# Altium PCB walktimizer_v2.PcbDoc (continued)
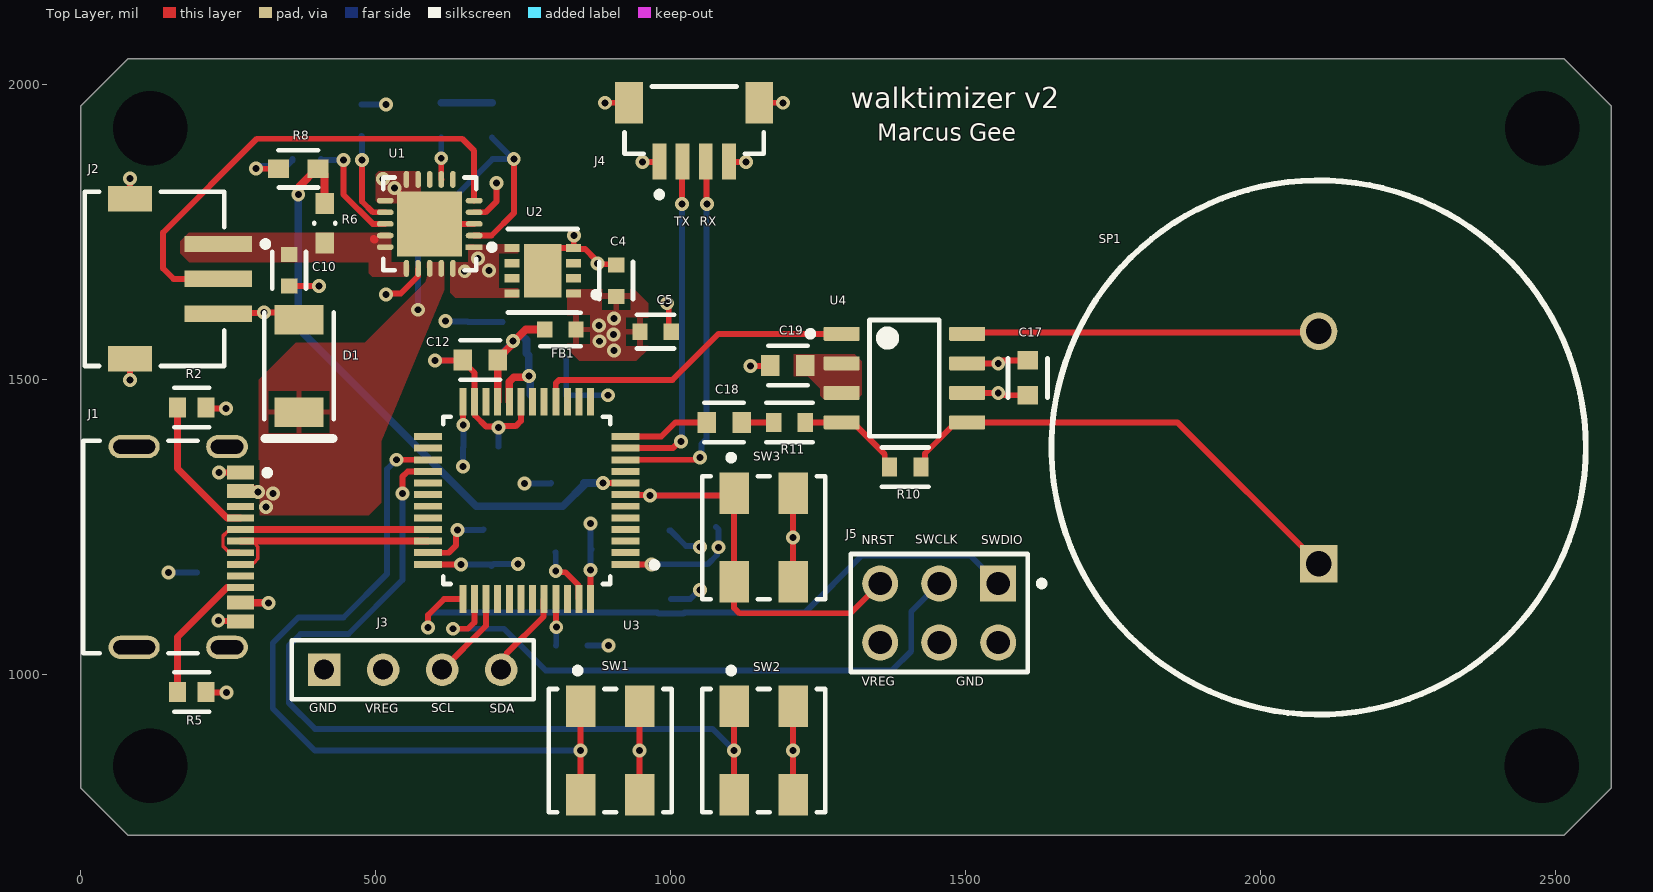
[diagram p0: Top Layer view]
## Footprints (in the part's own frame and the unit in brackets; to place one, negate y for a bottom-side part, rotate by r counter-clockwise, add the part's x,y. Pads: shape width x height; smd on the part's side, far side on the other; paste and mask are expansions set on the pad)
BOUR-SMA-2_V [mm] "SMA, 2-Leads, Body 4.57x2.92mm"
  rect 1.27x2.1 smd: 1(-1.985,0) 2(1.985,0)
  silkscreen extent -2.3,-1.5 3.12,1.5, body extent -2.5,-1.46 2.5,1.46, height 2.62
FP-7914J-1-032-MFG [mm]
  rect 1.27x1.78 smd paste+0 mask+0: 1_1-(-1.27,1.905) 1_2+(1.27,1.905) 2_1-(-1.27,-1.905) 2_2+(1.27,-1.905)
  silkscreen extent -2.65,-2.65 2.65,3.57, body extent -2.75,-2.9 2.75,2.9, height 0.25
FP-90131-0763-MFG [mm]
  rect 1.55x1.55 hole 1 paste-2539.97 mask+0: 1(-2.54,-1.27)
  round 1.55 hole 1 paste-2539.97 mask+0: 2(-2.54,1.27) 3(0,-1.27) 4(0,1.27) 5(2.54,-1.27) 6(2.54,1.27)
  silkscreen extent -4.53,-2.54 3.81,2.54, body extent -3.91,-2.64 3.91,2.64, height 0.25
FP-2171790001-MFG [mm]
  rrect100% 1x1.8 hole 1.4 slot 0.6 at 0 deg paste-2539.97 mask+0: 1(-4.32,2.85) 2(4.32,2.85)
  rrect100% 1x2.2 hole 1.8 slot 0.6 at 0 deg paste-2539.97 mask+0: 3(-4.32,-1.15) 4(4.32,-1.15)
  rect 0.6x1.15 smd paste+0 mask+0: A1-B12(-3.2,3.425) A4-B9(-2.4,3.425) B1-A12(3.2,3.425) B4-A9(2.4,3.425)
  rect 0.3x1.15 smd paste+0 mask+0: A5(-1.25,3.425) A6(-0.25,3.425) A7(0.25,3.425) A8(1.25,3.425) B5(1.75,3.425) B6(0.75,3.425) B7(-0.75,3.425) B8(-1.75,3.425)
  silkscreen extent -4.57,-3.35 4.57,4.7, body extent -4.92,-3.45 4.92,4.1, height 0.25
FP-BLM18-0_15-t0_8-MFG [mm]
  rect 0.65x0.7 smd paste+0 mask+0: 1(-0.675,0) 2(0.675,0)
  silkscreen extent -0.87,-0.72 0.87,0.72, body extent -1.1,-0.58 1.1,0.58, height 0.25
FP-BM04B-SRSS-TBT_LF_SN-MFG [mm]
  rect 0.6x1.55 smd paste+0 mask+0: 1(-1.5,-1.775) 2(-0.5,-1.775) 3(0.5,-1.775) 4(1.5,-1.775)
  rect 1.2x1.8 smd paste+0 mask+0: 5(-2.8,0.75) 6(2.8,0.75)
  silkscreen extent -3,-3.32 3,1.45, body extent -3.5,-2.65 3.5,1.75, height 0.25
FP-C04-126-IPC_C [mm]
  rect 0.729x0.239 smd paste+0 mask+0: 1(-1.915,1)
  rrect100% 0.729x0.239 smd paste+0 mask+0: 2(-1.915,0.5) 3(-1.915,0) 4(-1.915,-0.5) 5(-1.915,-1) 11(1.915,-1) 12(1.915,-0.5) 13(1.915,0) 14(1.915,0.5) 15(1.915,1)
  rrect100% 0.239x0.729 smd paste+0 mask+0: 6(-1,-1.915) 7(-0.5,-1.915) 8(0,-1.915) 9(0.5,-1.915) 10(1,-1.915) 16(1,1.915) 17(0.5,1.915) 18(0,1.915) 19(-0.5,1.915) 20(-1,1.915)
  rect 2.8x2.8 smd paste-1000 mask+0: 21(0,0)
  silkscreen extent -2.8,-2 2,2, body extent -2.38,-2.38 2.38,2.38, height 0.25
FP-CC0603-DA-MFG [mm]
  rect 0.8x0.9 smd paste+0 mask+0: 1(-0.75,0) 2(0.75,0)
  silkscreen extent -0.85,-0.85 0.85,0.85, body extent -0.8,-0.4 0.8,0.4, height 0.9
FP-CC0603-DB-MFG [mm]
  rect 0.8x0.9 smd paste+0 mask+0: 1(-0.75,0) 2(0.75,0)
  silkscreen extent -0.85,-0.85 0.85,0.85, body extent -1.43,-0.82 1.43,0.82, height 0.25
FP-CRCW0603-e3-IPC_C [mil]
  rect 28.94x33.94 smd paste+0 mask+0: 1(-24.23,0) 2(24.23,0)
  silkscreen extent -30,-33 30,33, body extent -31,-17 31,17, height 20
FP-CRCW0603-e3-MFG [mm]
  rect 0.75x1 smd paste+0 mask+0: 1(-0.75,0) 2(0.75,0)
  silkscreen extent -0.8,-0.9 0.8,0.9, body extent -0.77,-0.43 0.77,0.43, height 0.5
FP-D0008A-MFG [mm]
  rrect17% 1.55x0.6 smd paste+0 mask+0: 1(-2.7,1.905) 2(-2.7,0.635) 3(-2.7,-0.635) 4(-2.7,-1.905) 5(2.7,-1.905) 6(2.7,-0.635) 7(2.7,0.635) 8(2.7,1.905)
  silkscreen extent -4.17,-2.5 1.5,2.5, body extent -3.57,-2.75 3.57,2.75, height 0.25
FP-GRM21B-0_2-e0_2_0_7-IPC_A [mil]
  rect 57.27x61.27 smd paste+0 mask+0: 1(-36.45,0) 2(36.45,0)
  silkscreen extent -65,-46 65,46, body extent -39,-25 39,25, height 57
FP-GRM188-0_1-MFG [mm]
  rect 0.65x0.7 smd paste+0 mask+0: 1(-0.675,0) 2(0.675,0)
  silkscreen extent -0.8,-0.72 0.8,0.72, body extent -0.8,-0.4 0.8,0.4, height 0.9
FP-LQFP48-5B-MFG [mm]
  rect 1.2x0.3 smd paste+0 mask+0: 1(-4.25,2.75) 2(-4.25,2.25) 3(-4.25,1.75) 4(-4.25,1.25) 5(-4.25,0.75) 6(-4.25,0.25) 7(-4.25,-0.25) 8(-4.25,-0.75) 9(-4.25,-1.25) 10(-4.25,-1.75) 11(-4.25,-2.25) 12(-4.25,-2.75) 25(4.25,-2.75) 26(4.25,-2.25) 27(4.25,-1.75) 28(4.25,-1.25) 29(4.25,-0.75) 30(4.25,-0.25) 31(4.25,0.25) 32(4.25,0.75) 33(4.25,1.25) 34(4.25,1.75) 35(4.25,2.25) 36(4.25,2.75)
  rect 0.3x1.2 smd paste+0 mask+0: 13(-2.75,-4.25) 14(-2.25,-4.25) 15(-1.75,-4.25) 16(-1.25,-4.25) 17(-0.75,-4.25) 18(-0.25,-4.25) 19(0.25,-4.25) 20(0.75,-4.25) 21(1.25,-4.25) 22(1.75,-4.25) 23(2.25,-4.25) 24(2.75,-4.25) 37(2.75,4.25) 38(2.25,4.25) 39(1.75,4.25) 40(1.25,4.25) 41(0.75,4.25) 42(0.25,4.25) 43(-0.25,4.25) 44(-0.75,4.25) 45(-1.25,4.25) 46(-1.75,4.25) 47(-2.25,4.25) 48(-2.75,4.25)
  silkscreen extent -5.63,-3.6 3.6,3.6, body extent -4.95,-4.95 4.95,4.95, height 0.25
FP-LTST-C190KRKT-MFG [mm]
  rect 0.8x0.8 smd paste+0 mask+0: 1(-0.75,0) 2(0.75,0)
  silkscreen extent -1.85,-0.82 0.82,0.82, body extent -0.8,-0.4 0.8,0.4, height 0.9
FP-RC0603-0_55-IPC_C [mil]
  rect 25.93x31.97 smd paste+0 mask+0: 1(-26.64,0) 2(26.64,0)
  silkscreen extent -40,-33 40,33, body extent -31,-16 31,16, height 22
FP-RC0603-0_55-MFG [mm]
  rect 0.9x0.8 smd paste+0 mask+0: 1(-0.85,0) 2(0.85,0)
  silkscreen extent -0.03,-0.45 0.03,0.45, body extent -1.4,-0.55 1.4,0.55, height 0.25
FP-RT0603-MFG [mm]
  rect 0.9x0.8 smd paste+0 mask+0: 1(-0.85,0) 2(0.85,0)
  silkscreen extent -0.85,-0.81 0.86,0.8, body extent -1.4,-0.55 1.4,0.55, height 0.25
FP-S3B-ZR-SM4A-TF_LF_SN-MFG [mm]
  rect 0.7x2.9 smd paste+0 mask+0: 1(1.5,-2.75) 2(0,-2.75) 3(-1.5,-2.75)
  rect 1.1x1.9 smd paste+0 mask+0: 4(-3.45,1.05) 5(3.45,1.05)
  silkscreen extent -3.75,-4.9 3.75,3, body extent -4.1,-4.3 4.1,3.1, height 0.25
FP-U-DFN3030-8_Type_E-MFG [mm]
  rect 0.65x0.35 smd paste+0 mask+0: 1(-1.325,0.975) 2(-1.325,0.325) 3(-1.325,-0.325) 4(-1.325,-0.975) 5(1.325,-0.975) 6(1.325,-0.325) 7(1.325,0.325) 8(1.325,0.975)
  rect 1.6x2.3 smd paste+0 mask+0: 9(0,0)
  silkscreen extent -2.43,-1.8 1.5,1.8, body extent -1.75,-1.63 1.75,1.63, height 0.25
GSPK2307P-8R1W-Footprint-1 [mm]
  rect 1.61x1.61 hole 1.1: 1(-5,0)
  round 1.61 hole 1.1: 2(5,0)
  silkscreen extent -11.5,-11.5 11.5,11.5, body extent -11.5,-11.5 11.5,11.5, height 6.8
NETTIE_SMD [mil]
  rect 5x5 smd paste-5 mask-5: 1(-3,0) 2(3.87,0)
  Top Layer region: -1.82,1.35 2.18,1.35 2.18,-1.35 -1.82,-1.35
SMTC-SLW-104-01-X-S [mm] "Low Profile Socket Strip, 1x4 Pins, Vertical, 2.54mm Pitch, Female"
  rect 1.4x1.4 hole 0.86: 1(0,0)
  round 1.4 hole 0.86: 2(2.54,0) 3(5.08,0) 4(7.62,0)
  silkscreen extent -1.4,-1.27 9.02,1.27, body extent -1.27,-1.27 8.89,1.27, height 4.57

## Part data
C1 C3 C4 C5 C10: library part CMP-2006-02799-3, "CAP CER 4.7UF 6.3V X5R 0603 /  / GRM188R60J475KE19D", Capacitance=4.7uF, Case Code (Imperial)=0603, Case Code (Metric)=1608, Dielectric=X5R, Max Operating Temperature=85°C, Min Operating Temperature=-55°C, Package Quantity=1, Tolerance=10%, Voltage=6.3V, Case/Package=0603, Depth=0.8mm, Height=0.8mm, Lead Free="Lead Free", Length=1.6mm, Material=Ceramic, Mount="Surface Mount", Packaging="Tape and Reel", Radiation Hardening=No, REACH SVHC="No SVHC", RoHS Compliant=Yes, Termination=SMD/SMT, Thickness=0.035inch, Voltage Rating=6.3V, Voltage Rating (DC)=6.3V, Width=0.8mm
C2: library part CMP-06035-004402-1, "Chip Multilayer Ceramic Capacitors for General Purpose, 0805, 10uF, X5R, 15%, 10%, 50V /  / GRM21BR61H106KE43L", Capacitance=10uF, Dielectric=X5R, Tolerance=10%, Voltage Rating (DC)=50V, Length=2mm, Thickness=1.25mm, Width=1.25mm
C6 C7 C8 C9 C13 C15 C16 C17: library part CMP-2100-03601-2, "CAP CER 0.1UF 50V X7R 0603 /  / CC0603KRX7R9BB104", Capacitance="100 nF", Manufacturer=YAGEO, Manufacturer Part Number=CC0603KRX7R9BB104, Package=CC0603-DA, Temperature="-55°C to +125°C", Temperature Characteristic=X7R, Temperature Coefficient=15%, Temperature Range High=+125°C, Temperature Range Low=-55°C, Tolerance=0.1, Voltage="50 V", Automotive=No, Category=Cap, ComponentLink2Description=Datasheet, ComponentLink2URL=http://www.yageo.com/documents/recent/UPY-GPHC_X7R_6.3V-to-50V_18.pdf, Device Class L1="Passive Components", Device Class L2=Capacitors, Device Class L3="Ceramic Capacitors", Digikey Description="CAP CER 0.1UF 50V X7R 0603", Footprint Url=http://www.yageo.com/exep/pages/download/literatures/UPY-C_GEN_24.pdf, Height=0.9mm, Lead Free=Yes, Material=Ceramic, Mouser Description="Multilayer Ceramic Capacitor, CC Series, 0.1 - F, - 10%, X7R, 50 V, 0603 [1608 Metric]", Octopart=https://octopart.com/cc0603krx7r9bb104-yageo-42244635, RoHS=TRUE, Voltage Rating="50 V"
C11: library part CMP-2100-03600-2, "CAP CER 10000PF 50V X7R 0603 /  / CC0603KRX7R9BB103", Manufacturer=YAGEO, Manufacturer Part Number=CC0603KRX7R9BB103, Package=CC0603-DA, Temperature="-55°C to +125°C", Temperature Characteristic=X7R, Temperature Coefficient=15%, Temperature Range High=+125°C, Temperature Range Low=-55°C, Tolerance=0.1, Voltage="50 V", Automotive=No, Capacitance="10 nF", Category=Cap, ComponentLink2Description=Datasheet, ComponentLink2URL=http://www.yageo.com/documents/recent/UPY-GPHC_X7R_6.3V-to-50V_18.pdf, Device Class L1="Passive Components", Device Class L2=Capacitors, Device Class L3="Ceramic Capacitors", Digikey Description="CAP CER 10000PF 50V X7R 0603", Footprint Url=http://www.yageo.com/exep/pages/download/literatures/UPY-C_GEN_24.pdf, Height=0.9mm, Lead Free=Yes, Material=Ceramic, Mouser Description="Multilayer Ceramic Capacitor, CC Series, 0.01 - F, - 10%, X7R, 50 V, 0603 [1608 Metric]", Octopart=https://octopart.com/cc0603krx7r9bb103-yageo-192938, RoHS=TRUE, Voltage Rating="50 V"
C12 C14 C19: library part CMP-03422-000761-2, "CAP CER 1UF 50V X7R 0603 /  / CC0603KRX7R9BB105", Capacitance=1uF, Case Code (Imperial)=0603, Case Code (Metric)=1608, Dielectric=X7R, Max Operating Temperature=125°C, Min Operating Temperature=-55°C, Package Quantity=4000, Resistor Type=Ceramic, Tolerance=10%, Voltage Rating=50V, Case/Package=0603, Halogen Free="Halogen Free", Lead Free="Lead Free", Length=0.063inch, Mount="Surface Mount", Packaging="Tape and Reel", Termination=SMD/SMT, Thickness=0.035inch, Voltage Rating (DC)=50V, Weight=7.1E-05oz, Width=0.031inch
C18: library part CMP-03422-001097-1, "CAP CER 0.33UF 25V X7R 0603 /  / CC0603KRX7R8BB334", Capacitance="330 nF", Manufacturer=YAGEO, Manufacturer Part Number=CC0603KRX7R8BB334, Package=CC0603-DA, Temperature="-55°C to +125°C", Temperature Characteristic=X7R, Temperature Coefficient=15%, Temperature Range High=+125°C, Temperature Range Low=-55°C, Tolerance=0.1, Voltage="25 V", Automotive=No, Category=Cap, ComponentLink2Description=Datasheet, ComponentLink2URL=http://www.yageo.com/documents/recent/UPY-GPHC_X7R_6.3V-to-50V_18.pdf, Device Class L1="Passive Components", Device Class L2=Capacitors, Device Class L3="Ceramic Capacitors", Digikey Description="CAP CER 0.33UF 25V X7R 0603", Footprint Url=http://www.yageo.com/exep/pages/download/literatures/UPY-C_GEN_24.pdf, Height=0.9mm, Lead Free=Yes, Material=Ceramic, Mouser Description="0603 0.33 uF 25 V ±10 % Tolerance X7R SMT Multilayer Ceramic Capacitor", Octopart=https://octopart.com/cc0603krx7r8bb334-yageo-47255252, RoHS=TRUE, Voltage Rating="25 V"
D1: library part CMP-2000-07090-1, "SMAJ Transient Voltage Suppressor Diode Series, 3.5 V, -55 to 150 degC, 2-Pin SMA, RoHS, Tape and Reel", Capacitance @ Frequency=-, Current - Peak Pulse (10/1000µs)=43.5A, Manufacturer=Bourns, Operating Temperature=-55°C~150°C(TJ), Package / Case=DO-214AC,SMA, Package Description="2-Pin Surface Mount Device, Body 4.315 x 2.605 mm", Package Reference=SMA-2, Power - Peak Pulse=400W, Power Line Protection=No, Standard Package=1, Supplier Device Package=SMA(DO-214AC), Voltage - Breakdown (Min)=6.4V, Voltage - Clamping (Max) @ Ipp=9.2V, Voltage - Reverse Standoff (Typ)=5V, Applications=GeneralPurpose, Bidirectional Channels=-, Catalog Drawings=SMAJSeriesFootprintSMAJ,SMBJSeries, Category=CircuitProtection, Datasheet URL=https://datasheet.ciiva.com/25624/0900766b8112213b-25624680.pdf, Datasheet Version=08/2012, EDA / CAD Models=DownloadfromAcceleratedDesigns, Family=TVS-Diodes, Featured Product=SMAJ/SMBJ/SMCJ/SMLJDiscreteTVSDiodes, Manufacturer URL=http://www.bourns.com/, Mounting Technology=SurfaceMount, Mounting Type=SurfaceMount, Online Catalog=SMAJSeries, Other Names=SMAJ5.0ABDKR, Packaging=Digi-Reel®, RoHS Information=SMAJSeriesMaterialDeclaration, Series=SMAJ, Type=Zener, Unidirectional Channels=1
D2: library part CMP-1674-00011-2, "LED RED CLEAR CHIP SMD", Case Code (Imperial)=0603, Case Code (Metric)=1608, Color=Red, Forward Current=30mA, Forward Voltage=2.4V, Lens Color=Colorless, Max Operating Temperature=85°C, Min Operating Temperature=-55°C, Package Quantity=1, Power Dissipation=75mW, Reverse Voltage=5V, Test Current=20mA, Case/Package=0603, Depth=0.8mm, Dominant Wavelength=631nm, Height=0.8mm, Illumination Color=Red, Lead Free="Lead Free", Length=1.6mm, Lens Style=Diffused, Lens Transparency=Clear, Luminous Intensity=54mcd, Mount="Surface Mount", Number of Elements=1, Number of LEDs=1, Number of Pins=2, Packaging="Tape and Reel", Power Rating=75mW, Radiation Hardening=No, Viewing Angle=130°, Wavelength=639nm, Width=0.8mm
FB1: library part CMP-0686-00436-3, "Chip Ferrite Bead, 0603, 600Ω @ 100MHz, 0.38Ω, 25%, 500mA", Case Code (Imperial)=0603, Case Code (Metric)=1608, Current Rating=500mA, DC Resistance (DCR)=380mR, Frequency=100MHz, Max Operating Temperature=125°C, Min Operating Temperature=-55°C, Package Quantity=1, Tolerance=25%, Case/Package=0603, Core Material=Ferrite, DC Current=500mA, Depth=0.8mm, Height=0.8mm, Impedance=600R, Lead Free="Lead Free", Length=1.6mm, Material=Steel, Max Current Rating=500mA, Max DC Current=500mA, Military Standard=Not, Number Of Circuits=1, Number of Lines=1, Number of Pins=2, Packaging="Tape and Reel", Radiation Hardening=No, REACH SVHC="No SVHC", RoHS Compliant=Yes, Shielding=Unshielded, Termination=SMD/SMT, Test Frequency=100MHz, Weight=7.1E-05oz, Width=0.8mm
J1: library part CMP-04767-000028-2, "CONN RCP USB2.0 TYP C 24P SMD RA", Current Rating=1.25A, Max Operating Temperature=85°C, Min Operating Temperature=-40°C, Voltage Rating=30V, Contact Material="Gold, Nickel", Gender=Receptacle, Height=3.36mm, NexarPartId=117190526, Number of Contacts=16, Usb Standard="USB 2.0"
J2: library part CMP-17439-000744-1, "CONN HEADER SMD R/A 3POS 1.5MM", Color=Natural, Contact Resistance=30mR, Current Rating=1A, Flammability Rating="UL94 V-0", Housing Color=Beige, Max Operating Temperature=85°C, Max Voltage Rating (AC)=50V, Min Operating Temperature=-25°C, Connector Type=Header, Contact Finish - Mating=TIN, Contact Material=Brass, Contact Plating=Copper, Contact Shape=Circular, Contact Type="Male Pin", Depth=6.5mm, Fastening Type=Detent, Gender=Male, Height=7.2mm, Housing Material=Polyamide, Insulation Color=Natural, Insulation Material=Nylon, Lead Free="Lead Free", Length=7.5mm, Max Current Rating=1A, Mount="Surface Mount", Number of Contacts=3, Number of Positions=3, Number of Rows=1, Orientation="Right Angle", Packaging="Tape and Reel", Pitch=1.5mm, Series=ZH, Termination=Solder, Voltage Rating=50V, Width=3.5mm
J3: library part CMP-1023-00132-1, "Low Profile Socket Strips, Through-hole, Vertical, -55 to 125 degC, 2.54 mm Pitch, 4-Pin, Female, RoHS", Manufacturer=Samtec, Temperature Range="-55 to 125 degC", ComponentLink1Description="Manufacturer URL", ComponentLink1URL=http://www.samtec.com, ComponentLink2Description=Datasheet, ComponentLink2URL=http://www.samtec.com/documents/webfiles/pdf/SLW.PDF, ComponentLink3Description="Package Specification", ComponentLink3URL=http://www.samtec.com/documents/webfiles/cpdf/SLW-1XX-01-X-X-MKT.pdf, DatasheetVersion=F-214, Mounting Technology=Through-hole, Orientation=Vertical, PackageDescription="Low Profile Socket Strip", PackageReference=SLW-104-01-X-S, PackageVersion="X, 9/1987", PartNumber=SLW-104-01-F-S, Pitch="2.54 mm", RoHS=True
J4: library part CMP-17439-000370-1, "CONN HEADER SMD 4POS 1MM", Color=Natural, Flammability Rating="UL94 V-0", Package Quantity=1, Voltage Rating=50V, Connector Type=Header, Contact Finish - Mating=TIN, Contact Material="Copper Alloy", Contact Plating=Tin, Contact Shape=Square, Contact Type="Male Pin", Fastening Type=Pull, Insulation Color=Natural, Insulation Material=Nylon, Lead Free="Lead Free", Mated Stacking Heights=4.9mm, Mount="Surface Mount", Number of Positions=4, Number of Rows=1, Packaging="Cut Tape", Pitch=0.039inch, Series=SR, Termination=Solder
J5: library part CMP-00257-00655468-1, "90131-0763 Conn Unshrouded Header HDR 6 POS 2.54mm Solder ST Top Entry Thru-Hole C-Grid III™ Tray", Contact Resistance=20mΩ, Current Rating=3A, Housing Color=Black, Insulation Resistance=5GΩ, Manufacturer Lifecycle Status=ACTIVE, Max Operating Temperature=125°C, Min Operating Temperature=-55°C, Voltage Rating=350V, Contact Material=Brass, Contact Plating=Gold, Country of Origin=SG, Gender=Male, Height=9.65mm, Housing Material=Polyester, Lead Free="Lead Free", Lead Pitch=2.54mm, Lifecycle Status=Production, Material="Glass, Polyester", Mount="Through Hole", NexarPartId=655468, Number Of Circuits=6, Number of Contacts=6, Number of Poles=6, Number of Positions=6, Number of Rows=2, Orientation=Vertical, Pitch=2.54mm, Plating=Tin, Radiation Hardening=No, REACH SVHC=Unknown, RoHS=Compliant, Schedule B=8536694040, Termination="Through Hole", Voltage Rating (AC)=350V, Voltage Rating (DC)=350V, Working Voltage=350V
NT1 NT2 NT3 NT4 NT5: library part NetTie_SMD, "Net Tie SMD"
R1 R2 R5: library part CMP-1012-00590-3, "RES Thick Film, 5.1kΩ, 1%, 0.1W, 100ppm/°C, 0603 /  / CRCW06035K10FKEA", Case Code (Imperial)=0603, Case Code (Metric)=1608, Max Operating Temperature=155°C, Min Operating Temperature=-55°C, Package Quantity=5000, Power Rating=100mW, Resistance=5.1kR, Temperature Coefficient=100ppm/°C, Tolerance=1%, Voltage Rating=75V, Case/Package=0603, Composition="Thick Film", Contact Plating=Tin, Depth=0.85mm, Height=0.45mm, Lead Free="Lead Free", Length=1.55mm, Military Standard=Not, Mount="Surface Mount", Packaging="Tape and Reel", Radiation Hardening=No, Termination=SMD/SMT, Voltage Rating (DC)=75V, Weight=7.1E-05oz, Width=0.85mm
R3 R7 R9: library part CMP-2100-03664-2, "RES 10kΩ 1% 1/10W 0603 /  / RC0603FR-0710KL", Case Code (Imperial)=0603, Case Code (Metric)=1608, Max Operating Temperature=155°C, Max Power Dissipation=100mW, Min Operating Temperature=-55°C, Resistance=10kR, Resistance Tolerance=1%, Resistor Type="Thick Film", Temperature Coefficient=100ppm/°C, Voltage Rating=75V, Voltage Rating (DC)=50V, Case/Package=0603, Construction=Rectangular, Depth=0.8mm, Features="Moisture Resistant", Height=0.45mm, Lead Free="Lead Free", Lead Pitch=0.3mm, Length=1.6mm, Military Standard=Not, Number of Pins=2, Number of Terminations=2, Packaging="Tape and Reel", Power Rating=100mW, RoHS Compliant=Yes, Series=RC, Size Code=0603, Termination=SMD/SMT, Tolerance=1%, Weight=7.1E-05oz, Width=0.8mm
R4: library part CMP-2000-03373-2, "RES Thick Film, 470Ω, 1%, 0.1W, 100ppm/°C, 0603 /  / CRCW0603470RFKEA", Case Code (Imperial)=0603, Case Code (Metric)=1608, Max Operating Temperature=155°C, Max Power Dissipation=100mW, Min Operating Temperature=-55°C, Package Quantity=10, Resistance=470R, Temperature Coefficient=100ppm/°C, Tolerance=1%, Voltage Rating=75V, Case/Package=0603, Composition="Thick Film", Contact Plating=Tin, Depth=0.85mm, Features="Automotive AEC-Q200", Height=0.45mm, Lead Free="Lead Free", Length=1.55mm, Military Standard=Not, Mount="Surface Mount", Number of Terminations=2, Packaging="Tape and Reel", Power Rating=100mW, Radiation Hardening=No, Termination=SMD/SMT, Voltage Rating (DC)=75V, Weight=7.1E-05oz, Width=0.033inch
R6: library part CMP-2100-03662-2, "RES SMD 100K OHM 1% 1/10W 0603 /  / RC0603FR-07100KL", Case Code (Imperial)=0603, Case Code (Metric)=1608, Max Operating Temperature=155°C, Max Power Dissipation=100mW, Min Operating Temperature=-55°C, Resistance=100kR, Resistance Tolerance=1%, Resistor Type="Thick Film", Temperature Coefficient=100ppm/°C, Voltage Rating=50V, Working Voltage=75V, Case/Package=0603, Construction=Rectangular, Depth=0.8mm, Features="Moisture Resistant", Height=0.45mm, Lead Free="Lead Free", Length=1.6mm, Military Standard=Not, Number of Pins=2, Number of Terminations=2, Packaging="Tape and Reel", Power Rating=100mW, REACH SVHC="No SVHC", RoHS Compliant=Yes, Series=RC, Technology="THICK FILM", Termination=SMD/SMT, Tolerance=1%, Voltage Rating (DC)=50V, Width=0.8mm
R8: library part CMP-2000-04408-2, "RES 240K OHM 1/10W .1% SMD 0603 /  / RT0603BRD07240KL", Manufacturer=Yageo, Manufacturer Part Number=RT0603BRD07240KL, Package=RT0603, Power Rating=0.1W, Resistance=240KΩ, Temperature="-55°C to +155°C", Temperature Coefficient="25 ppm/°C", Temperature Range High=+155°C, Temperature Range Low=-55°C, Tolerance=0.001, Voltage Rating=75V, Automotive=No, Category=Res, ComponentLink2Description=Datasheet, ComponentLink2URL=http://www.yageo.com/documents/recent/PYu-RT_1-to-0.01_RoHS_L_9.pdf, Composition="Thin Film", Device Class L1="Passive Components", Device Class L2=Resistors, Device Class L3="Chip SMD Resistors", Digikey Description="RES 240K OHM 1/10W .1% SMD 0603", Footprint Url=http://www.yageo.com/exep/pages/download/literatures/PYu-R_Mount_10.pdf, Height=0.55mm, Ipc Land Pattern Name=RESC16080X45, Lead Free=Yes, Mouser Description="Thin Film Resistors 1/10W 240K ohm .1% 25ppm", Octopart=https://octopart.com/rt0603brd07240kl-yageo-1283207, RoHS=TRUE, Series=RT
R10 R11: library part CMP-2000-06932-2, "RES 20K OHM 1% 1/10W 0603 /  / RC0603FR-0720KL", Case Code (Imperial)=0603, Case Code (Metric)=1608, Max Operating Temperature=155°C, Max Power Dissipation=100mW, Min Operating Temperature=-55°C, Package Quantity=1, Resistance=20kR, Resistance Tolerance=1%, Resistor Type="Thick Film", Temperature Coefficient=100ppm/°C, Voltage Rating=50V, Case/Package=0603, Construction=Rectangular, Depth=0.8mm, Features="Moisture Resistant", Height=0.022inch, Lead Free="Lead Free", Length=0.063inch, Military Standard=Not, Number of Pins=2, Number of Terminations=2, Packaging="Tape and Reel", Power Rating=100mW, REACH SVHC="No SVHC", RoHS Compliant=Yes, Series=RC, Size Code=0603, Technology="THICK FILM", Termination=SMD/SMT, Tolerance=1%, Voltage Rating (DC)=50V, Width=0.031inch
SP1: library part CMP-00027-00003-3, "8 ohm 1.7kHz Speakers ROHS 88dB 500 mW"
SW1 SW2 SW3: library part CMP-07427-000007-1, "SWITCH TACTILE SPST-NO 0.1A 16V", Case/Package=SMD/SMT, Current Rating=100mA, Max Operating Temperature=125°C, Min Operating Temperature=-55°C, Operating Force=300gf, Package Quantity=50, Voltage Rating (DC)=16V, Actuator Material=Rubber, Actuator Type=Standard, Contact Material=Gold, Contact Plating=Silver, Depth=5mm, Illumination Type=Non-Illuminated, Length=5mm, Max Current Rating=100mA, Mechanical Life=100000Cycles, Mount="Surface Mount", Orientation=Straight, Packaging=Rail/Tube, RoHS Compliant=Yes, Series=7914, Switch Function=Off-Mom, Termination=J-Hook, Throw Configuration=SPST
U1: library part CMP-06318-000014-1, "IC USB/AC BATT CHRGR W/PPM 20QFN", Case/Package=QFN, Max Operating Temperature=85°C, Max Supply Voltage=6V, Min Operating Temperature=-40°C, Min Supply Voltage=4.5V, Output Current=1A, Output Voltage=4.2V, Package Quantity=3300, Contact Plating=Tin, Lead Free="Lead Free", Mount="Surface Mount", Number of Pins=20, Packaging="Tape and Reel", RoHS Compliant=Yes
U2: library part CMP-12756-000002-1, "IC REG LINEAR 3.3V 1A UDFN3030-8", Ambient Temperature Range High=+85°C, Ambient Temperature Range Low=-40°C, Dropout Voltage=840mV, Manufacturer="Diodes Inc.", Max Junction Temp=+150°C, Max Power Dissipation=1700mW, Max Supply Voltage=6V, Min Supply Voltage=2.2V, Nominal Supply Current=60uA, Output Current=1A, Output Voltage=3.3V, Package="U-DFN3030-8 (Type E)", Temperature="-40°C to +150°C", Accuracy Percentage=1%, Automotive=No, Category=IC, ComponentLink2Description=Datasheet, ComponentLink2URL=https://www.diodes.com/assets/Datasheets/AP7361C.pdf, Device Class L1="Integrated Circuits (ICs)", Device Class L2="Power Management ICs", Device Class L3="Voltage Regulators - Linear", Digikey Description="IC REG LINEAR 3.3V 1A UDFN3030-8", Footprint Url=https://www.diodes.com/assets/Package-Files/U-DFN3030-8-Type-E.pdf, Height=0.63mm, Ipc Land Pattern Name=DFN300X300X60-8, Lead Free=Yes, Manufacturer Part Number=AP7361C-33FGE-7, Mouser Description="LDO Voltage Regulators 1A LDO Reg w/Enable 3.3V 6.5Vin 1700mW", Number of Outputs=1, Octopart=https://octopart.com/ap7361c-33fge-7-diodes+inc.-65869522, Output Type=Fixed, RoHS=TRUE, Standoff Height=0mm, Temperature Range High=+150°C, Temperature Range Low=-40°C
U3: library part CMP-12105-000030-1, "MAINSTREAM ARM CORTEX-M4+ MCU 17", Ambient Temperature Range High=+85°C, Ambient Temperature Range Low=-40°C, Frequency=170MHz, Manufacturer=STMicroelectronics, Max Junction Temp=+105°C, Max Supply Voltage=3.6V, Min Supply Voltage=1.62V, Package=LQFP48-5B, Temperature="-40°C to +85°C", Automotive=No, Category=IC, ComponentLink2Description=Datasheet, ComponentLink2URL=https://www.st.com/resource/en/datasheet/stm32g431cb.pdf, Core Architecture="Arm Cortex-M4", Data Bus Width=32bits, Device Class L1="Integrated Circuits (ICs)", Device Class L2="Embedded Processors and Controllers", Device Class L3=Microcontrollers, Digikey Description="MAINSTREAM ARM CORTEX-M4+ MCU 17", Height=1.6mm, Interface=I2C,SPI,UART,USART,CAN,USB,LIN,IrDA,I2S, Lead Free=Yes, Manufacturer Part Number=STM32G431CBT6, Memory Size=128KBytes, Memory Type=FLASH, Number Of A/D Converters=1, Number Of Adc Channels=17, Number Of Cores=1, Number Of I2C Channels=3, Number Of I/Os=38, Number Of Pwm Channels=31, Number Of Spi Channels=3, Number Of Timers/Counters=14, Number Of Uart Channels=4, Number Of Usb Channels=1, Octopart=https://octopart.com/stm32g431cbt6-stmicroelectronics-98835224, Ram Size=32KBytes, RoHS=TRUE, Standoff Height=0.05mm, Temperature Range High=+85°C, Temperature Range Low=-40°C
U4: library part CMP-04894-000007-1, "IC AMP CLASS AB MONO 1.5W 8SOIC", Case/Package=SOIC, Max Operating Temperature=85°C, Max Output Power=1.5W, Max Supply Voltage=5.5V, Min Operating Temperature=-40°C, Min Supply Voltage=2V, Nominal Supply Current=6.5mA, Operating Supply Voltage=5V, Output Power=1.1W, Package Quantity=2500, Power Supply Rejection Ratio (PSRR)=65dB, Contact Plating=Tin, Lead Free="Lead Free", Load Impedance=8R, Mount="Surface Mount", Number of Channels=1, Number of Pins=8, Packaging="Tape and Reel", Quiescent Current=6.5mA, Radiation Hardening=No, REACH SVHC="No SVHC", RoHS Compliant=Yes, Series=Boomer®, Supply Type=Single

## Free pads (board coordinates)
  round 60 hole 125.98 unplated: MH(118,845) MH(118,1925) MH(2476,845) MH(2477,1925)

## Via types
v1: diameter 23.6, hole 11.81, Top Layer to Bottom Layer, tented both sides, 79 vias

## Nets (pads, with @x,y where several pads share a name; then routed paths per layer and width w, separated by ;. In a path a pad name is that pad's centre, name@x,y a point inside that pad or via, vN(x,y) a via of type N, cw(c..) or ccw(c..) an arc to the next point about the centre after c; other vN are vias at no path point)
AUDIO: C18.1 U3.12 | length 147.7
  Top Layer w10: U3.12 983.94,1402.66 1008.06,1426.77 C18.1
AUDIO_EN: U3.16 U4.1 | length 550.5
  Top Layer w10: U3.16 805.1,1492.96 810.96,1498.82 1002.92,1498.82 1080.88,1576.77 U4.1
BAT_SENS: C13.2 R6.1 R8.2 U3.8 | length 1048.5
  Top Layer w10: v1(884.83,1323.92) U3.8
  Top Layer w13: v1(368.67,1812.88) 370.69,1814.91 370.69,1827.19 400.16,1856.65 R8.2 ; R8.2@403.74,1856.65 412.99,1847.41 R6.1@412.99,1796.56
  Bottom Layer w13: v1(368.67,1812.88) 368.67,1586.14 670.19,1284.62 816.98,1284.62 C13.2 ; C13.2@852.98,1323.92 v1(884.83,1323.92)
BAT_THERM: J2.2 U1.5 | length 847.7
  Top Layer w10: J2.2 157.28,1670 139.68,1687.6 139.68,1748.54 298.51,1907.37 646.4,1907.37 666.79,1886.99 U1.5
BOOT0: R7.1 U3.45 | length 79.1
  Top Layer w10: U3.45 805.53,1126.64 805.53,1079.94 v1(805.96,1079.51)
  Bottom Layer w10: R7.1 805.86,1048.5 805.86,1079.41 v1(805.96,1079.51)
CC1: J1.A5 R2.2 | length 244.9
  Top Layer w12: R2.2 163.96,1348.48 247.57,1264.87 270.57,1264.87 J1.A5
CC2: J1.B5 R5.2 | length 234.4
  Top Layer w12: R5.2 163.96,1062.95 247.57,1146.57 270.57,1146.57 J1.B5
GND: C1.1 C2.2 C3.1 C4.1 C5.1 C6.1 C7.1 C8.1 C9.1 C10.1 C11.2 C12.1 C13.1 C14.1 C15.1 C16.1 C17.2 C19.2 D1.1 J1.1 J1.2 J1.3 J1.4 J1.A1-B12 J1.B1-A12 J2.3 J2.4 J2.5 J3.1 J4.1 J4.5 J4.6 J5.2 J5.4 R1.1 R2.1 R3.2 R5.1 R7.2 R8.1 SW1.1_2+ SW1.2_2+ SW2.1_2+ SW2.2_2+ SW3.1_2+ SW3.2_2+ U1.3 U1.9 U1.10 U1.11 U1.21 U2.4 U2.9 U3.19 U3.23 U3.35 U3.47 U4.7 | length 2719.6
  Top Layer w10: v1(83.43,1839.92) 83.43,1806.06 J2.5 ; v1(83.66,1498.82) J2.4 ; R5.1 213.45,968.92 v1(247.09,968.92) ; R2.1 214.32,1450.06 v1(246.27,1450.06) ; v1(233.07,1090.75) 233.66,1090.16 270.08,1090.16 J1.B1-A12 ; J2.3 234.25,1611.93 309.8,1611.93 v1(310.79,1612.91) 357.44,1612.91 D1.1 ; v1(234.25,1341.63) v1(234.25,1341.63) 270.63,1341.59 J1.A1-B12 ; v1(297.24,1856.65) R8.1 ; C10.1 v1(403.76,1657.9) ; v1(531.49,1824.3) U1.21@592.7,1763.09 ; U3.35 623.84,1205.81 635.84,1217.8 635.84,1242.01 v1(638.43,1244.6) ; U1.21 U1.3 ; v1(600.2,1531.73) 647.19,1531.73 C12.1 647.67,1530.24 667.31,1510.6 U3.23 668.21,1460.81 668.21,1438.23 687.05,1419.4 706.45,1419.4 v1(708.13,1417.72) 710.73,1420.33 737,1420.33 746.05,1429.38 U3.19 ; U2.9 783,1695.59 809.5,1722.08 U2.4 ; v1(805.04,1174.51) 806.9,1172.66 821.45,1172.66 843.57,1150.54 843.57,1127.97 U3.47 ; v1(836.03,1743.74) 835.6,1743.31 835.6,1722.51 U2.4 ; v1(888.77,1968.39) J4.5 ; C4.1 906.38,1694.67 876.81,1694.67 873.08,1698.4 873.08,1702.48 854.77,1720.79 836.46,1720.79 U2.4 ; SW1.2_2+ SW1.1_2+ ; v1(952.4,1868.07) 979.66,1868.07 J4.1 ; v1(993.97,1628.58) 996.57,1625.97 996.57,1584.58 C5.1 ; v1(1135.43,1522.11) 1167.73,1522.11 C19.2 ; J4.6 v1(1190,1968.39) ; SW2.2_2+ SW2.1_2+ ; SW3.2_2+ SW3.1_2+ ; U4.7 v1(1555.02,1526.77) 1557.64,1526.77 1562.6,1531.73 C17.2
  Bottom Layer w10: v1(148.83,1172) C2.2 ; v1(297.24,1856.65) 300.92,1856.65 305.69,1861.42 349.16,1861.42 358.63,1870.88 R1.1 ; R3.2 v1(517.52,1965.51) ; v1(600.2,1531.73) 647.19,1531.73 C11.2 ; v1(618.08,1598.72) 618.9,1597.9 655.65,1597.9 C1.1 C3.1 ; v1(638.43,1244.6) 681.57,1244.6 C7.1 ; C9.1 708.13,1385.48 v1(708.13,1417.72) ; v1(752.33,1323.35) 796.66,1323.35 C13.1 ; C8.1@804.91,1206.52 805.04,1206.39 v1(805.04,1174.51) ; C14.1 822.82,1535.34 C15.1 823.84,1472.67 v1(893.28,1472.67) ; R7.2 859.14,1048.5 v1(894.79,1048.5) ; C16.1 999.89,1243.23 1025.83,1217.29 1047.34,1217.29 v1(1049.19,1215.44) ; C6.1 1033.04,1127.32 1048.67,1142.95 v1(1049.19,1142.95)
  other v1: 947.27,870.49 1207.46,870.49 1207.46,1231.31 875.68,1695.8 512.37,1838.85
GPS_RX: J4.3 U3.10 | length 635.2
  Top Layer w10: U3.10 1041.86,1363.29 1045.51,1366.94 v1(1049.19,1366.94) ; J4.3 1060.23,1868.07 1060.23,1797.76 v1(1061.14,1796.85)
  Bottom Layer w10: v1(1049.19,1366.94) 1051.79,1369.54 1051.79,1389.64 1060.89,1398.74 1060.89,1796.59 v1(1061.14,1796.85)
GPS_TX: J4.2 U3.11 | length 574.7
  Top Layer w10: U3.11 1003.53,1382.97 1014.98,1394.43 v1(1017.61,1394.43) ; v1(1018.76,1796.59) 1019.35,1797.18 1019.35,1868.4 J4.2
  Bottom Layer w10: v1(1017.61,1394.43) 1018.76,1395.59 v1(1018.76,1796.59)
INPUT1: SW1.1_1- SW1.2_1- U3.27 | length 1308.2
  Top Layer w10: v1@534.96,1363.32 U3.27@588.53,1363.32 ; SW1.2_1- v1(847.27,870.49) SW1.1_1-
  Bottom Layer w10: v1(534.92,1363.36) 519.37,1347.8 519.37,1169.97 445.33,1095.93 368.72,1095.93 325.47,1052.68 325.47,941.73 396.71,870.49 v1(847.27,870.49)
INPUT2: SW2.1_1- SW2.2_1- U3.28 | length 1495.8
  Top Layer w10: v1(545.15,1306.31) 545.15,1334.61 554.14,1343.6 U3.28 ; SW2.2_1- v1(1107.46,870.49) SW2.1_1-
  Bottom Layer w10: v1(545.15,1306.31) 545.15,1159.42 453.82,1068.09 372.74,1068.09 352.72,1048.07 352.72,951.37 397.19,906.9 1071.05,906.9 v1(1107.46,870.49)
NetC18_2: C18.2 R11.1 | length 54.7
  Top Layer w10: C18.2 R11.1
NetC19_1: C19.1 U4.2 U4.3
NetD2_1: D2.1 R4.1 | length 85.9
  Bottom Layer w13: R4.1 D2.1
NetR1_2: R1.2 U1.13 | length 188.8
  Top Layer w10: v1(445.12,1871.3) 445.12,1812.92 494.94,1763.09 U1.13
  Bottom Layer w10: R1.2 409.17,1871.3 v1(445.12,1871.3)
NetR3_1: R3.1 U1.12 | length 158.3
  Top Layer w10: v1(476.72,1871.3) 476.72,1801.12 495.05,1782.78 U1.12
  Bottom Layer w10: R3.1 476.72,1911.56 v1(476.72,1871.3)
NetR4_2: R4.2 U1.7 | length 70.9
  Top Layer w10: v1(610.97,1874.37) 611.03,1874.31 611.03,1838.53 U1.7
  Bottom Layer w10: v1(610.97,1874.37) R4.2
NetR10_1: R10.1 R11.2 U4.4 | length 182.2
  Top Layer w10: R11.2 U4.4 1308.37,1426.77 1362.72,1372.42 1362.72,1358.74 R10.1
NetR10_2: R10.2 SP1.1 U4.5 | length 814.3
  Top Layer w10: R10.2 1430.85,1357.65 1430.85,1374.06 1476.75,1419.96 1483.57,1426.77 1858.61,1426.77 SP1.1
NetSP1_2: SP1.2 U4.8 | length 597.5
  Top Layer w10: U4.8 1504.42,1578.93 2095.84,1578.93 SP1.2
NRST: C16.2 J5.5 R9.2 SW3.1_1- SW3.2_1- U3.7 | length 766.9
  Top Layer w10: U3.7 924.12,1303.32 958.09,1303.32 961.84,1299.57 v1@964.46,1299.57 ; v1(964.46,1302.93) 1104.08,1302.93 SW3.1_1- 1107.46,1112.01 1116.28,1103.19 1304.6,1103.19 J5.5
  Bottom Layer w10: v1(964.46,1302.93) 997.28,1302.93 C16.2 998.38,1302.74 R9.2
SCREEN_SCL: J3.3 U3.39 | length 150.4
  Top Layer w10: J3.3 686.99,1081.94 U3.39
SCREEN_SDA: J3.4 U3.44 | length 149.7
  Top Layer w10: J3.4 721.19,1016.14 721.19,1034.41 784.51,1097.73 784.51,1126.16 U3.44
SWCLK: J5.3 U3.38 | length 1034.4
  Top Layer w10: v1(630.78,1076.92) 656.46,1076.92 667.31,1087.76 U3.38
  Bottom Layer w10: v1(630.78,1076.92) 717.31,1076.92 788.12,1006.11 1374.7,1006.11 1407.51,1038.92 1407.51,1106.11 J5.3
SWDIO: J5.1 U3.37 | length 1141.2
  Top Layer w10: v1(588.58,1078.77) 588.58,1099.95 615.69,1127.06 U3.37
  Bottom Layer w10: v1(588.58,1078.77) 588.58,1098.45 594.43,1104.31 977.14,1104.31 978.88,1102.57 1021.77,1102.57 1023.5,1104.31 1227.11,1104.31 1323.93,1201.13 1507.51,1201.13 J5.1
USB_N: J1.A7 J1.B7 U3.33 | length 403.9
  Top Layer w5.85: J1.A7 267.69,1208.7 248.93,1208.7 241.11,1216.52 241.11,1234.18 249.04,1242.11 267.69,1242.11 J1.B7
  Top Layer w11.91: J1.B7 270.9,1245.32 431.28,1245.32 431.37,1245.4 588.34,1245.4 U3.33
USB_P: J1.A6 J1.B6 U3.34 | length 405.4
  Top Layer w5.85: J1.B6 273.65,1189.01 293.82,1189.01 300.23,1195.43 300.23,1216.01 293.82,1222.42 273.65,1222.42 J1.A6
  Top Layer w11.91: J1.A6 439.53,1225.4 439.62,1225.49 U3.34
VBAT: C10.2 J2.1 R6.2 U1.14 U1.15 U1.16 | length 2.4
  Top Layer w13: R6.2@412.54,1735.49 R6.2@412.99,1735.94 ; 496.51,1737.42 497.74,1736.19
VDD1: NT1.2 U3.1 | length 60
  Top Layer w10: U3.1 923.53,1185.8 967.34,1185.8 v1(967.66,1185.49)
  Bottom Layer w10: v1(967.66,1185.49) 968.42,1186.25 982.61,1186.25
VDD2: NT2.2 U3.24 | length 47.8
  Top Layer w10: U3.24 647.96,1461.37 647.96,1422.58 v1(648.29,1422.24)
  Bottom Layer w10: v1(648.29,1422.24) 648.29,1415.08 v1@648.96,1414.42
VDD3: NT3.2 U3.36 | length 57.7
  Top Layer w10: U3.36 588.74,1185.95 644.2,1185.95 v1(644.37,1185.77)
  Bottom Layer w10: NT3.2@642.71,1185.77 v1(644.37,1185.77)
VDD4: NT4.2 U3.48 | length 63.9
  Top Layer w10: v1(863.93,1176.42) 864.04,1176.3 864.04,1127.18 U3.48
  Bottom Layer w10: v1@863.95,1176.44 863.95,1190.9
VDDA: C11.1 C12.2 FB1.1 NT5.1 U3.21 | length 250.5
  Top Layer w13: U3.21@706.56,1461.82 706.7,1461.97 C12.2 ; C12.2@706.73,1534.18 730.51,1557.95 730.51,1562.66 v1(732.54,1564.69) 734.76,1564.69 754.2,1584.12 FB1.1
  Bottom Layer w13: C11.1 706.73,1534.18 717.95,1545.39 717.95,1547.23 732.54,1561.82 v1(732.54,1564.69) 735.41,1564.69 744.13,1573.41 748.36,1573.41 755.46,1566.32 NT5.1
VREF: C14.2 C15.2 NT5.2 U3.20 | length 165.2
  Top Layer w13: U3.20 726.36,1495.49 733.98,1503.1 757.8,1503.1 v1(759.83,1505.13)
  Bottom Layer w13: 755.46,1562.12 755.46,1543.65 C14.2 759.47,1539.64 759.47,1505.49 v1(759.83,1505.13) 761.8,1503.16 761.8,1473.62 C15.2
VREG: C4.2 C5.2 C6.2 C7.2 C8.2 C9.2 C17.1 FB1.2 J3.2 J4.4 J5.6 NT1.1 NT2.1 NT3.1 NT4.1 R9.1 U1.4 U1.17 U2.1 U4.6 | length 667.4
  Top Layer w10: v1(517.52,1643.34) 519.37,1645.2 542.32,1645.2 571.72,1674.6 U1.17 ; U1.4 686.19,1782.78 704.81,1801.4 v1(704.81,1832.32) ; J4.4 1099.6,1868.07 v1(1127.3,1868.07) ; U4.6 v1(1555.02,1476.77) 1557.64,1476.77 1561.75,1472.67 C17.1
  Bottom Layer w10: v1(647.87,1351.9) 647.87,1384.28 C9.2 648.96,1414.42 648.47,1414.9 ; NT3.1 C7.2@696.77,1185.74 ; C7.2@695.91,1182.99 699.79,1186.87 v1(741.16,1186.87) ; NT4.1 863.95,1209.59 C8.2 ; C8.2@864.16,1211.62 v1(864.16,1255.06) ; NT1.1 1062.53,1186.25 1078.27,1201.99 1078.27,1212.4 v1(1080.88,1215) 1080.88,1245.47 R9.1
  other v1: 903.6,1548.48 879.21,1564.21 903.13,1575.86 878.11,1590.8 903.45,1602.6
VSELECT: C1.2 C3.2 U1.1 U1.20 U2.5 U2.8
  other v1: 650.78,1682.87 691.85,1684.16 673.18,1704.55
VUSB: C2.1 D1.2 D2.2 J1.A4-B9 J1.B4-A9 U1.2 U1.18 U1.19 | length 618.9
  Top Layer w10: U1.2 696.05,1743.41 734.63,1781.99 734.63,1872.47 v1(733.9,1873.2)
  Top Layer w13: J1.B4-A9 270.82,1120.92 318.22,1120.92 v1(318.37,1120.77)
  Bottom Layer w10: v1(571.72,1617.59) 571.72,1746.89 698.04,1873.2 v1(733.9,1873.2) 733.03,1873.2 D2.2
  other v1: 313.66,1283.55 325.58,1306.04 300.07,1308.97
pads on no net: J1.A8 J1.B8 U1.6 U1.8 U2.2 U2.3 U2.6 U2.7 U3.2 U3.3 U3.4 U3.5 U3.6 U3.9 U3.13 U3.14 U3.15 U3.17 U3.18 U3.22 U3.25 U3.26 U3.29 U3.30 U3.31 U3.32 U3.40 U3.41 U3.42 U3.43 U3.46

## Polygon pours and split planes (outlines as drawn)
NetC19_1 on Top Layer "NETC19_1_L01_P009" (solid, pour order 9): 1208.21,1542.06 1312.25,1542.06 1323.93,1530.38 1323.93,1473.16 1315.58,1464.82 1260.02,1464.82 1253.18,1471.65 1253.18,1483.31 1231.83,1504.66 1208.21,1504.66
VREG on Top Layer "VREG_L01_P007" (solid, pour order 7): 824.74,1652.54 824.74,1551.4 845.28,1530.86 941.64,1530.86 961.84,1551.06 961.84,1628.92 938.21,1652.54
VUSB on Top Layer "VUSB_L01_P005" (solid, pour order 5): 248.14,1324.52 301.79,1324.52 301.79,1498.55 364.72,1561.49 481.01,1561.49 584.68,1665.16 584.68,1703.23 615.72,1703.23 615.72,1651.44 509.52,1395.04 509.52,1290.45 488.38,1269.32 301.79,1269.32 301.79,1298.32 248.14,1298.32
VSELECT on Top Layer "VSELECT_L01_P002" (solid, pour order 2): 626.27,1693.88 626.27,1646.34 634.77,1637.85 742.5,1637.85 742.5,1728.24 656.46,1728.23 656.46,1698.03 630.42,1698.03
VBAT on Top Layer "VBAT_L01_P006" (solid, pour order 6): 168.52,1733.52 168.52,1713.52 183.58,1698.46 497.74,1698.46 497.74,1743.58 493.22,1748.1 183.1,1748.1
VBAT on Top Layer "VBAT_L01_P001" (solid, pour order 1): 526.67,1744.17 526.67,1703.23 531.87,1698.03 552.59,1698.03 556.55,1694.07 556.55,1679.55 550.35,1673.35 494.09,1673.35 488.36,1679.08 488.36,1743.93 492.52,1748.1 522.74,1748.1
GND on Top Layer "GND_L01_P000" (solid, pour order 0): 504.68,1797.95 576.26,1797.95 576.26,1848.17 572.2,1852.23 504.87,1852.23 500.17,1847.53 500.17,1802.46
VSELECT on Bottom Layer "VSELECT_L04_P008" (solid, pour order 8): 636.27,1728.23 733.9,1728.24 743.7,1718.44 743.7,1638.14 736.3,1630.74 633.38,1630.74 626.27,1637.85 626.27,1718.23
VUSB on Bottom Layer "VUSB_L04_P004" (solid, pour order 4): 249.83,1323.83 326.04,1323.83 337.41,1312.46 337.41,1119.92 325.47,1107.98 249.58,1107.98 240.66,1116.95 241.69,1315.73
GND on GND "GND_L02_P012" (solid, pour order 12): 0,1963 80,2043 2513.98,2043 2594,1962.98 2594,807 2514,727 80,727 0,807
VREG on VREG "VREG_L03_P013" (solid, pour order 13): 0,1963 80,2043 2513.98,2043 2594,1962.98 2594,807 2514,727 80,727 0,807

## Silkscreen, mask and mechanical layers (free items; w line width, h text height)
Top Overlay:
  text "walktimizer v2" at 1305.02,1947.19 h60
  text "Marcus Gee" at 1350.02,1893.65 h50
  text "TX" at 1005.73,1754.56 h25
  text "RX" at 1049.19,1754.56 h25
  text "SWCLK" at 1414.51,1216.28 h25
  text "NRST" at 1323.93,1215.27 h25
  text "SWDIO" at 1526,1215.27 h25
  text "VREG" at 1323.95,975.09 h25
  text "GND" at 1483.57,975.09 h25
  text "GND" at 387.15,930 h25
  text "SCL" at 594.43,930 h25
  text "SDA" at 693.57,929.73 h25
  text "VREG" at 482.51,929.46 h25